# Altium PCB 程控放大器 DAC8802.PcbDoc
Units mil, origin at the board's own origin, x right, y up, seen from the top; angles counter-clockwise.
Board outline 1496.06 x 1456.69 mil, 2 copper layers (Top Layer, Bottom Layer); 23 components, 17 nets, 84 pads, 15 vias.
Unrouted connection lines stored in the file: 1.
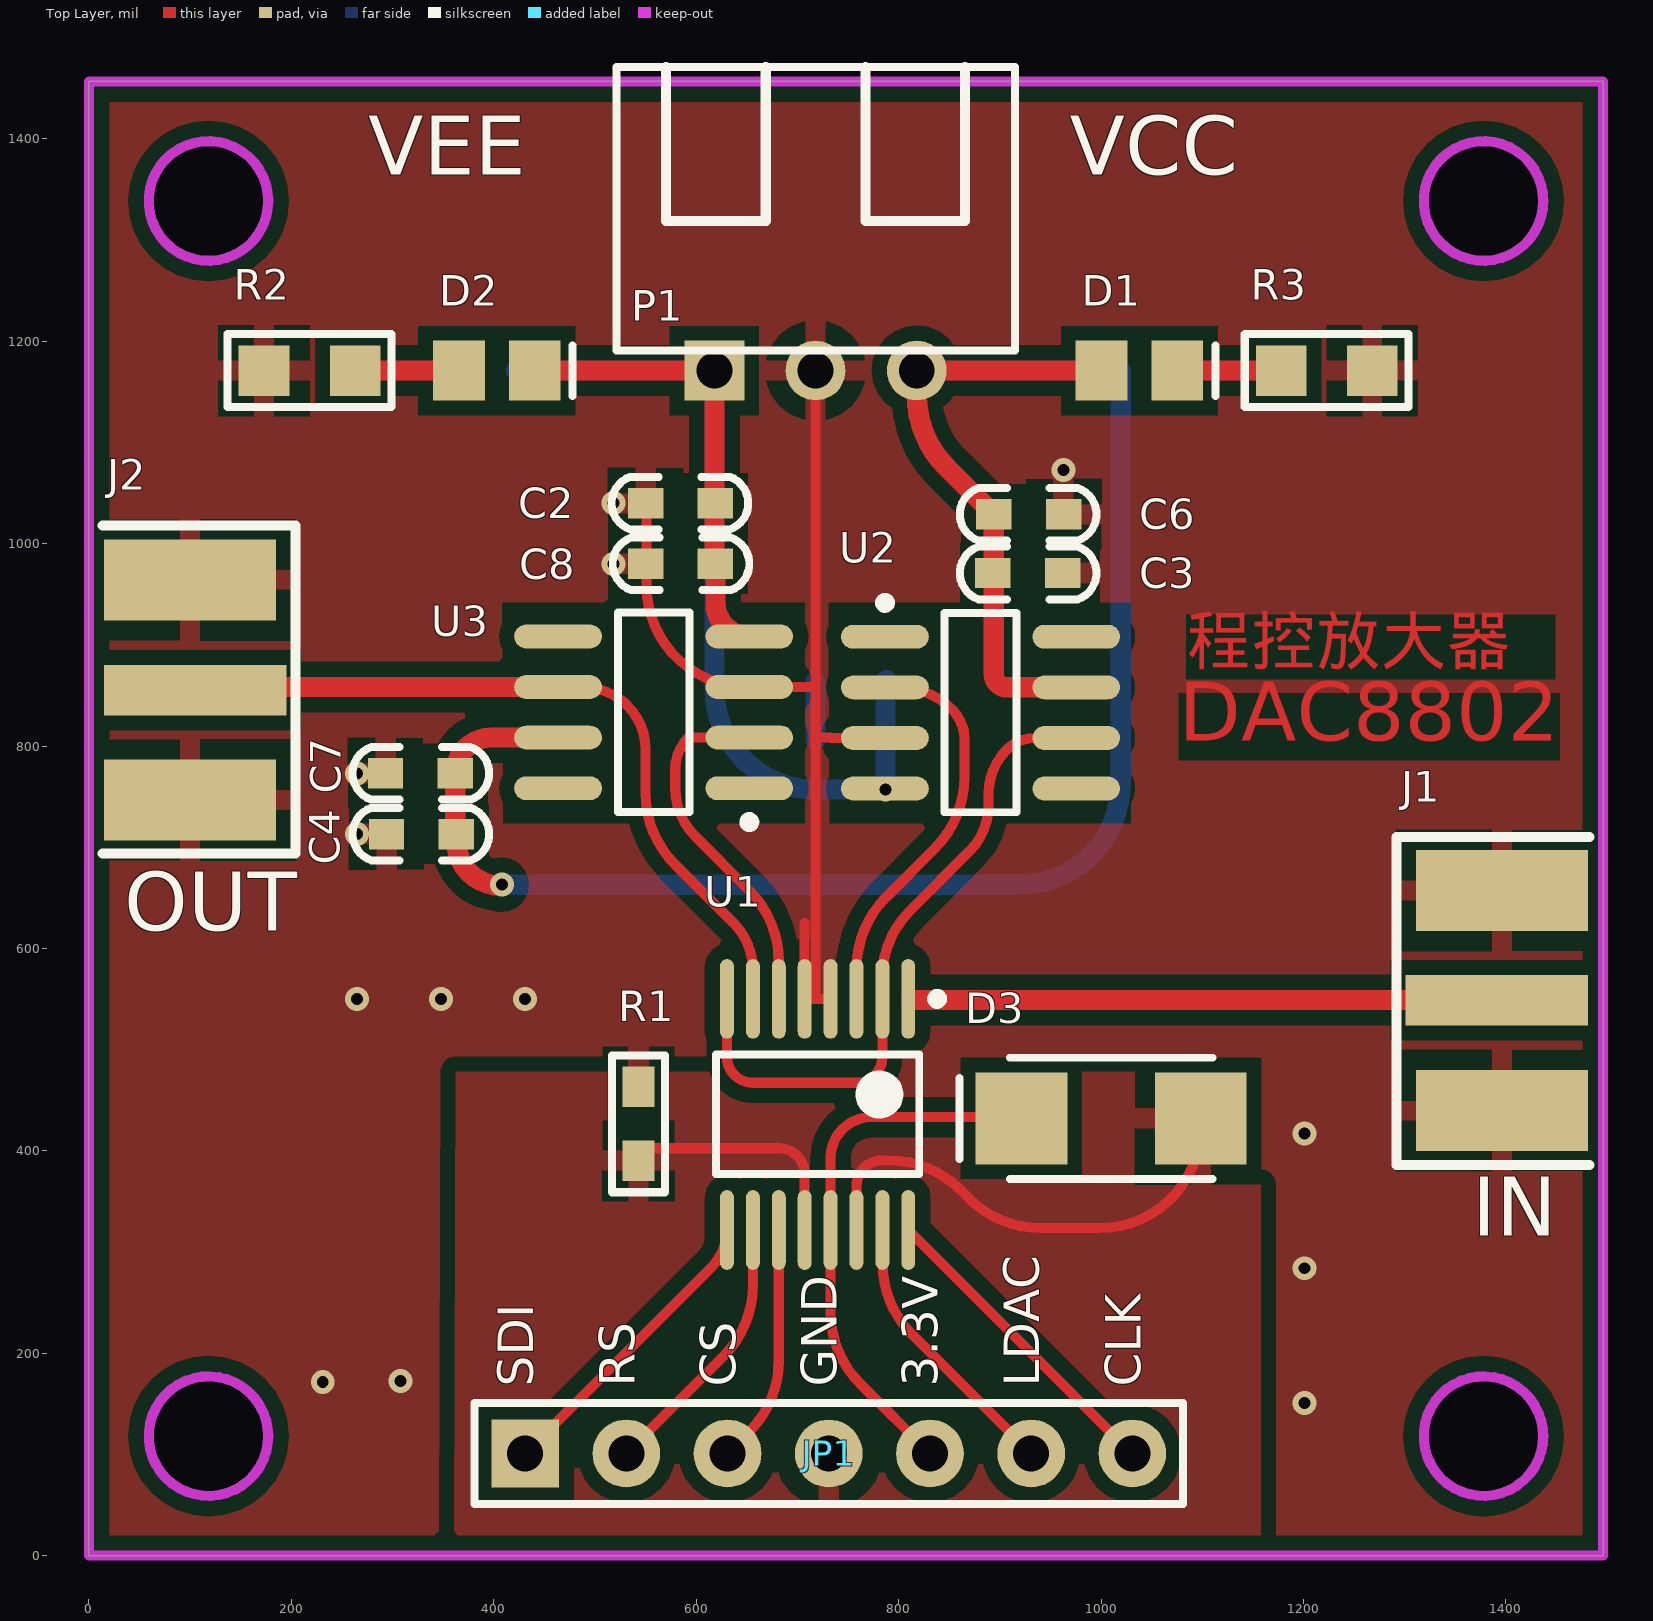
[diagram p0: Top Layer view]
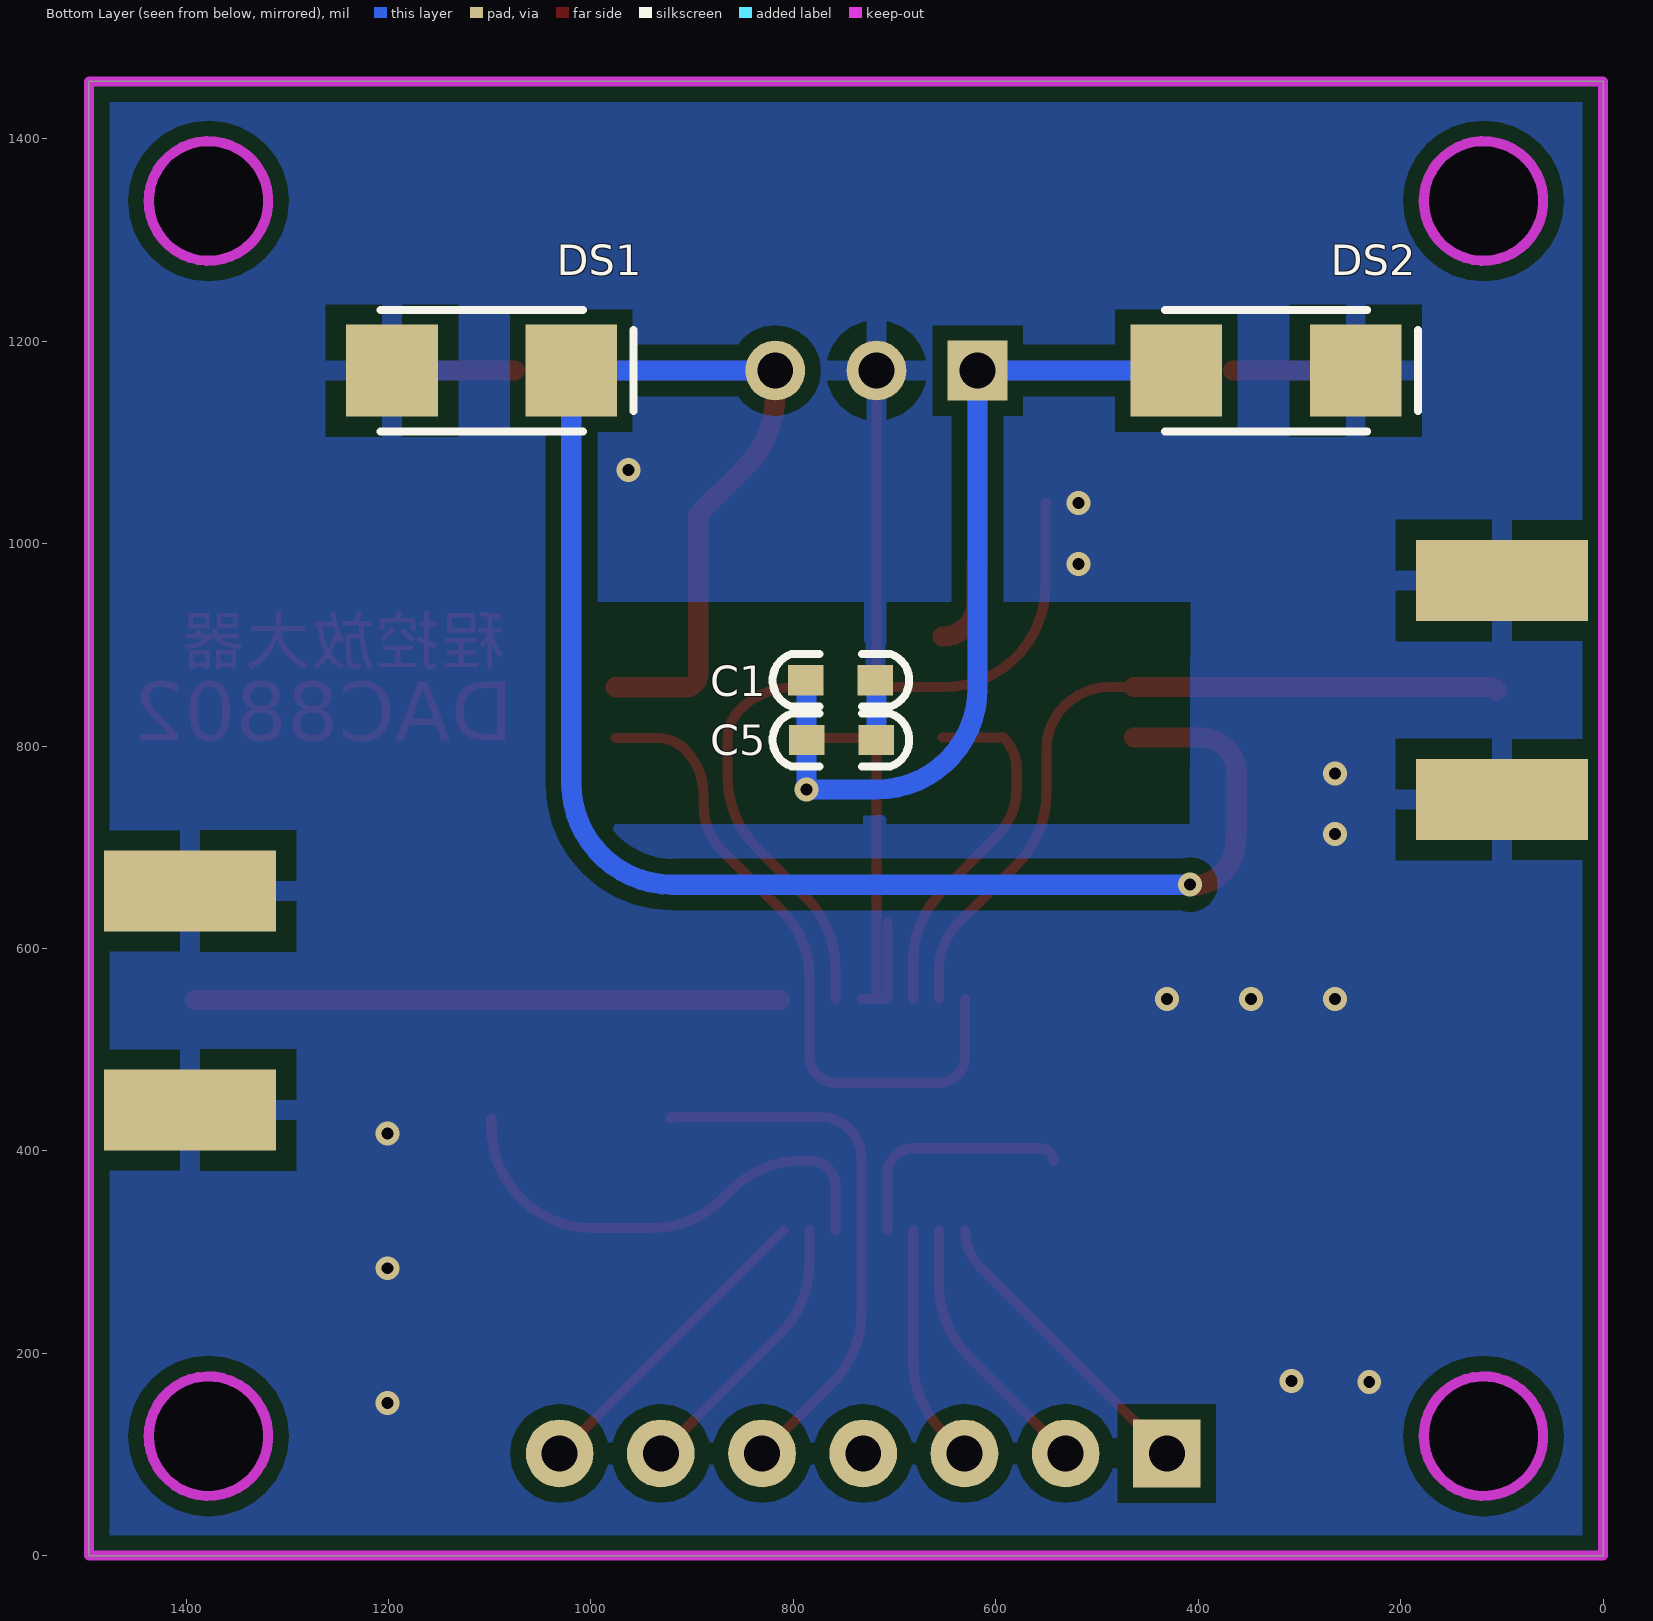
[diagram p1: Bottom Layer view, seen from below]

## Layer stack, top to bottom
Top Solder: solder mask 0.4, Solder Resist, Dk 3.5
Top Layer: signal copper 1.4
Dielectric 1: dielectric 12.6, FR-4, Dk 4.8
Bottom Layer: signal copper 1.4
Bottom Solder: solder mask 0.4, Solder Resist, Dk 3.5

## Board outline
0,0 0,1456.69 1496.06,1456.69 1496.06,0
cut-out: 118.11,1279.53 cw(c118.11,1338.58) 59.06,1338.58 cw(c118.11,1338.58) 118.11,1397.64 cw(c118.11,1338.58) 177.17,1338.58 cw(c118.11,1338.58)
cut-out: 1318.9,1338.58 ccw(c1377.95,1338.58) 1377.95,1279.53 ccw(c1377.95,1338.58) 1437.01,1338.58 ccw(c1377.95,1338.58) 1377.95,1397.64 ccw(c1377.95,1338.58)
cut-out: 1318.9,118.11 ccw(c1377.95,118.11) 1377.95,59.06 ccw(c1377.95,118.11) 1437.01,118.11 ccw(c1377.95,118.11) 1377.95,177.17 ccw(c1377.95,118.11)
cut-out: 118.11,59.06 cw(c118.11,118.11) 59.06,118.11 cw(c118.11,118.11) 118.11,177.17 cw(c118.11,118.11) 177.17,118.11 cw(c118.11,118.11)

## Design rules (kind name [scope] priority, off if disabled: settings)
Clearance [All] p1: gap=10 ignorepadtopadclearanceinfootprint=FALSE except(0: Arc-Hole Track-Hole SMDPad-Hole THPad-Hole Via-Hole Fill-Hole Poly-Text Poly-Hole Region-Hole Text-Hole; 15: Arc-Poly Track-Poly SMDPad-Poly THPad-Poly Via-Poly Fill-Poly Poly-Poly)
MinimumSolderMaskSliver [All] p1: minsoldermaskwidth=0
PolygonConnect [All] p1: thpad.connectstyle=Relief thpad.reliefconductorwidth=20 thpad.reliefentries=4 thpad.polygonreliefangle="90 Angle" thpad.airgapwidth=20 smdpad.connectstyle=Relief smdpad.reliefconductorwidth=20 smdpad.reliefentries=4 smdpad.polygonreliefangle="90 Angle" smdpad.airgapwidth=20 via.connectstyle=Direct via.reliefconductorwidth=10 via.reliefentries=4 via.polygonreliefangle="90 Angle" via.airgapwidth=10
RoutingVias [All] p1: holewidth=11.81 width=23.62 viastyle="Through Hole" minholewidth=11.81 minwidth=23.62 maxholewidth=28 maxwidth=70
ShortCircuit [All] p1: allowed=TRUE
SilkToSilkClearance [All] p1: silktosilkclearance=0
SilkToSolderMaskClearance [IsPad] p1: minsilkscreentomaskgap=0 clearancetoexposedcopper=TRUE
SolderMaskExpansion [All] p1: expansion=4
Width [All] p1: maxlimit=100 minlimit=1 preferedwidth=10
26 further rules are at their usual default settings.

## Components (designator, comment, footprint, x,y, rotation, side; value= is the part's Value field where it differs from the comment)
C1 "103" "C 0603" 753,865 r180 bottom
C2 "103" "C 0603" 584,1040 r180 top
C3 "103" "C 0603" 928,971 r0 top
C4 "103" "C 0603" 328,713 r180 top
C5 "1uF" "C 0603" 753,806 r0 bottom
C6 "1uF" "C 0603" 928,1029 r180 top
C7 "1uF" "C 0603" 328,773 r0 top
C8 "1uF" "C 0603" 585,980 r0 top
D1 "LED" LED_0805 1038,1171 r0 top
D2 "LED" LED_0805 403,1171 r0 top
D3 "TVS" DIODE-SMA 1010,432 r180 top
DS1 "D Schottky" DIODE-SMA 1108,1171 r180 bottom
DS2 "D Schottky" DIODE-SMA 333,1171 r180 bottom
J1 "COAX" MCX5.08-5-H 1391,549 r180 top
J2 "COAX" MCX5.08-5-H 105,855 r0 top
JP1 "HDR-1X7" HDR-1X7 431,101 r0 top
P1 "Header 3" HDR3X1_B2 718,1171 r0 top
R1 "0" "R 0603" 543,426.63 r270 top
R2 "1K" "R 0805" 218,1171 r0 top
R3 "1K" "R 0805" 1223,1171 r0 top
U1 "DAC8802" TSSOP16_M 720,436 r270 top
U2 "OPA134" SOIC8_N 881,833 r0 top
U3 "OPA134" SOIC8_N 558,833.32 r180 top

## Footprints (in the part's own frame and the unit in brackets; to place one, negate y for a bottom-side part, rotate by r counter-clockwise, add the part's x,y. Pads: shape width x height; smd on the part's side, far side on the other; paste and mask are expansions set on the pad)
"C 0603" [mil] "无极性贴片电容"
  rect 35x30 smd: 1(-35,0) 2(34,0)
  silkscreen extent -67,-26 67,26, body extent -31,-16 31,16, height 32
DIODE-SMA [mm] "贴片二极管"
  rect 2.3x2.3 smd: 1(-2.25,0) 2(2.25,0)
  silkscreen extent -2.54,-1.52 3.81,1.52, body extent -2.92,-1.4 2.92,1.4, height 3
HDR3X1_B2 [mm] "Connector; Header; 3 Position"
  rect 1.5x1.5 hole 0.9: 1(-2.54,0)
  round 1.5 hole 0.9: 2(0,0) 3(2.54,0)
  silkscreen extent -5,0.5 5,7.62, body extent -5,0.5 5,7.62, height 6
HDR-1X7 [mm] "排针，8脚"
  rect 1.7x1.7 hole 0.9: 1(0,0)
  round 1.7 hole 0.9: 2(2.54,0) 3(5.08,0) 4(7.62,0) 5(10.16,0) 6(12.7,0) 7(15.24,0)
  silkscreen extent -1.27,-1.27 16.51,1.27, body extent -1.27,-1.27 16.51,1.27, height 8.5
LED_0805 [mm] "贴片二极管"
  rect 1.3x1.5 smd: 1(-0.95,0) 2(0.95,0)
  silkscreen extent 1.91,-0.64 1.91,0.64
MCX5.08-5-H [mil]
  rect 180x50 smd: 1(0,0)
  rect 170x80 smd: 2(-5,109.25) 5(-5,-108.27)
  rect 170x80 smd far side: 3(-5,108.66) 4(-5,-107.87)
  silkscreen extent -92,-161 99,163, body extent -93,-132 80,134, height 39
"R 0603" [mil] "1/10W贴片电阻"
  rect 40x31.5 smd: 1(-36.5,0) 2(36.5,0)
  silkscreen extent -68,-26 68,26, body extent -31,-16 32,16, height 16
"R 0805" [mil] "1/8W贴片电阻"
  rect 50x50 smd: 1(-45,0) 2(45,0)
  silkscreen extent -81,-36 81,36, body extent -39,-25 39,25, height 20
SOIC8_N [mm] "8-Pin Small Outline Integrated Circuit Package (SOIC8), IPC Medium Density"
  oval 2.2x0.6 smd: 1(-2.4,1.905) 2(-2.4,0.635) 3(-2.4,-0.635) 4(-2.4,-1.905) 5(2.4,-1.905) 6(2.4,-0.635) 7(2.4,0.635) 8(2.4,1.905)
  silkscreen extent -2.52,-2.5 0.9,2.88, body extent -1.95,-2.45 1.95,2.45, height 1.75
TSSOP16_M [mm] "TSOP, 16-Leads, Body 5x4.4mm, Pitch 0.65mm, IPC Low Density"
  oval 2x0.35 smd: 1(-2.9,2.275) 2(-2.9,1.625) 3(-2.9,0.975) 4(-2.9,0.325) 5(-2.9,-0.325) 6(-2.9,-0.975) 7(-2.9,-1.625) 8(-2.9,-2.275) 9(2.9,-2.275) 10(2.9,-1.625) 11(2.9,-0.975) 12(2.9,-0.325) 13(2.9,0.325) 14(2.9,0.975) 15(2.9,1.625) 16(2.9,2.275)
  silkscreen extent -3.02,-2.55 1.5,3.13, body extent -2.25,-2.55 2.25,2.55, height 1.1

## Part data
C1 C2 C3 C4 C5 C6 C7 C8: library part C, "无极性贴片电容"
D1 D2: "发光二极管", LatestRevisionDate=08-Jul-2005, LatestRevisionNote="Mech Layer 1 removed.", PackageReference=LED, Published=8-Jun-2000, Publisher="Altium Limited"
D3: "TVS保护", PackageDocument=Sep-1996, Code_JEDEC=DO-214-AB, LatestRevisionDate=17-Jul-2002, LatestRevisionNote="Re-released for DXP Platform.", PackageReference=SMC, Published=8-Jun-2000, Publisher="Altium Limited", Type=SMJ3.3A
DS1 DS2: "Schottky Diode", Code_JEDEC=DO-214-AA, LatestRevisionDate=17-Jul-2002, LatestRevisionNote="Re-released for DXP Platform.", PackageDescription="DO-214-AA/SMB; 2 C-Bend Leads; Body 5.3 x 3.6 mm, inc. leads (LxW)", PackageReference=SMB, Published=8-Jun-2000, Publisher="Altium Limited"
JP1: library part "Header 7", "7P接插件"
P1: "接插件", LatestRevisionDate=17-Jul-2002, LatestRevisionNote="Re-released for DXP Platform.", Publisher="Altium Limited"
R1 R2 R3: library part R, "贴片电阻"
U1: "Dual.Serial Input 14Bit Multiplying Digital-to-Analog Converter"
U2 U3: "高性能音频运算放大器"

## Via types
v1: diameter 23.62, hole 11.81, Top Layer to Bottom Layer, tented both sides, 15 vias

## Nets (pads, with @x,y where several pads share a name; then routed paths per layer and width w, separated by ;. In a path a pad name is that pad's centre, name@x,y a point inside that pad or via, vN(x,y) a via of type N, cw(c..) or ccw(c..) an arc to the next point about the centre after c; other vN are vias at no path point)
3.3V: D3.2 JP1.5 U1.13 | length 540.8
  Top Layer w10: JP1.5 762.08,169.92 cw(c832.8,240.63) 732.8,240.63 U1.13 732.8,393.11 cw(c773,393.11) 773,433.32 920.1,433.32 cw(c920.1,432) D3.2
CLK: JP1.7 U1.16 | length 312.8
  Top Layer w10: U1.16 1029.96,101.43 ccw(c1031,102.46) JP1.7
CS: JP1.3 U1.11 | length 237.5
  Top Layer w10: JP1.3 652.32,122.32 ccw(c581.61,193.04) 681.61,193.04 U1.11
DGND: D3.1 JP1.4 R1.2 U1.12 U1.14 | length 723.8
  Top Layer w10: R1.2 cw(c555.5,390.13) 555.5,402.63 681.61,402.63 cw(c681.61,377.04) 707.2,377.04 U1.12 ; U1.14 758.39,365.04 cw(c783.98,365.04) 783.98,390.63 790.58,390.63 cw(c790.58,290.63) 861.29,361.34 869.71,352.92 ccw(c940.42,423.63) 940.42,323.63 998.58,323.63 ccw(c998.58,423.63) 1098.58,423.63 D3.1
GND: C1.2 C2.2 C3.2 C4.2 C5.1 C6.1 C7.1 C8.1 DS1.1 DS2.2 J1.2 J1.3 J1.4 J1.5 J2.2 J2.3 J2.4 J2.5 P1.2 R1.1 R2.1 R3.2 U1.4 U1.5 U2.3 U3.3 | length 1156.2
  Top Layer w10: C2.2 cw(c550,1039) 551,1039 551,958.32 ccw(c651,958.32) 651,858.32 U3.3 652.49,858.51 718,858.51 ; 707.2,625 U1.5 718,550.17 ; P1.2 718,858.51 ; U1.4 718,550.17 ; U2.3 732.8,808 732.8,808.32 718,808.32 ; 718,550.17 718,808.32 ; 718,808.32 718,858.51
  Bottom Layer w10: C1.2@718,864 cw(c719,864) C1.2
  Bottom Layer w20: C5.1 C1.2@718,864
  other v1: 1201,150.92 231,171.73 308,172.67 1201,284 1201,417.09 265,550.17 348,550.17 431,550.17 265,713 265,773 518.35,980 518.35,1040 963,1072.72
LDAC: JP1.6 U1.15 | length 277.4
  Top Layer w10: U1.15 783.98,289.44 ccw(c883.98,289.44) 813.27,218.73 JP1.6
NetD1_2: D1.2 R3.1 | length 102.6
  Top Layer w20: D1.2 R3.1
NetD2_1: D2.1 R2.2 | length 102.6
  Top Layer w20: R2.2 D2.1
NetJ1_1: J1.1 U1.1 | length 578.3
  Top Layer w20: U1.1@812.68,549 J1.1
NetJ2_1: J2.1 U1.7 U3.6 | length 764.2
  Top Layer w10: U3.6 487.78,858.32 cw(c487.78,795.78) 532,840 cw(c488.54,796.54) 550,796.54 550,753.42 ccw(c650,753.42) 579.29,682.71 637,625 cw(c591.07,579.07) 656.02,579.07 U1.7
  Top Layer w20: J2.1 cw(c113,847) 113,858.32 U3.6
NetU1_2: U1.2 U1.8 U2.6 | length 656.8
  Top Layer w10: U1.8 630.43,492.91 ccw(c656.02,492.91) 656.02,467.32 758.39,467.32 ccw(c758.39,492.91) 783.98,492.91 U1.2 783.98,571.76 cw(c876.24,571.76) 811,637 869.91,695.91 ccw(c823.82,742) 889,742 889,753.09 cw(c950.46,753.09) 907,796.54 cw(c934.66,768.89) 934.66,808 U2.6
NetU1_3: U1.3 U2.2 | length 397
  Top Layer w10: U1.3 758.39,579.96 cw(c858.39,579.96) 787.68,650.68 835.71,698.71 ccw(c765,769.42) 865,769.42 865,807.03 ccw(c824.03,807.03) 853,836 ccw(c799.89,782.89) 799.89,858 U2.2
NetU1_6: U1.6 U3.2 | length 357.1
  Top Layer w10: U3.2 592.32,808.32 592,808 ccw(c622.69,777.31) 579.29,777.31 579.29,758.32 ccw(c646.52,758.32) 598.98,710.77 652.49,657.27 cw(c582.17,586.95) 681.61,586.95 U1.6
RS: JP1.2 U1.10 | length 268.3
  Top Layer w10: JP1.2 626.73,196.73 ccw(c556.02,267.45) 656.02,267.45 U1.10
SDI: JP1.1 U1.9 | length 301.2
  Top Layer w10: JP1.1 615.31,285.31 ccw(c578.78,321.83) U1.9
VCC: C3.1 C4.1 C6.2 C7.2 D1.1 DS1.2 P1.3 U2.7 U3.7 | length 2136.5
  Top Layer w20: v1(408,663) ccw(c408,662) 407,662 cw(c407,706) 363,706 C4.1 cw(c363,714) 362,714 C7.2 cw(c397.32,773) 397.32,808.32 U3.7 ; U2.7 907,858 cw(c907,871) 894,871 C6.2 847.29,1075.71 cw(c918,1146.42) 818,1146.42 P1.3 D1.1
  Bottom Layer w20: v1(408,663) 919.42,663 ccw(c919.42,763) 1019.42,763 DS1.2 P1.3
VEE: C1.1 C2.1 C5.2 C8.2 D2.2 DS2.1 P1.1 U2.4 U3.4 | length 1305
  Top Layer w20: D2.2 P1.1 618,1040 618,981 ccw(c619,981) C8.2 619,941.8 ccw(c652.49,941.8) U3.4
  Bottom Layer w20: DS2.1 P1.1 618,857 ccw(c718,857) 718,757 v1(787,757) C5.2 787,864 cw(c788,864) C1.1
pads on no net: U2.1 U2.5 U2.8 U3.1 U3.5 U3.8

## Polygon pours and split planes (outlines as drawn)
GND on Top Layer "Top Layer-No Net" (solid, remove dead copper, pour order 11): 0,0 0,1456.69 1496.06,1456.69 1496.06,0
DGND on Top Layer "Top Layer-DGND" (solid, remove dead copper, pour order 9): 362.53,478.32 1158,478.32 1158,0 361,0
GND on Bottom Layer "Top Layer-No Net1" (solid, pour order 12): 0,0 0,1456.69 1496.06,1456.69 1496.06,0

## Keep-outs
Keep-Out Layer:
  circle w10: c118.11,1338.58 r59.06
  circle w10: c1377.95,1338.58 r59.06
  circle w10: c1377.95,118.11 r59.06
  circle w10: c118.11,118.11 r59.06
  lines w10: 0,0 0,1456.69 1496.06,1456.69 1496.06,0 0,0

## Other copper
Top Layer:
  pour cut-out: 730.36,942 1030.01,942 1030.01,723 731.36,723 731.36,724
  pour cut-out: 408,942 707.65,942 707.65,723 409,723 409,724
  text "程控放大器" at 1084,866 h80
  text "DAC8802" at 1077,786 h100
Bottom Layer:
  pour cut-out: 730.36,942 1030.01,942 1030.01,723 731.36,723 731.36,724
  pour cut-out: 408,942 707.65,942 707.65,723 409,723 409,724

## Silkscreen, mask and mechanical layers (free items; w line width, h text height)
Top Overlay:
  text "VEE" at 276,1345 h100
  text "VCC" at 969,1345 h100
  text "OUT" at 35,598 h100
  text "IN" at 1367,297 h100
  text "SDI" at 451,167 h60 r90
  text "RS" at 550.93,167 h60 r90
  text "CS" at 650.85,167 h60 r90
  text "GND" at 750.78,167 h60 r90
  text "3.3V" at 850.7,167 h60 r90
  text "LDAC" at 951.07,167 h60 r90
  text "CLK" at 1051,167 h60 r90